# EAGLE board working (EAGLE 9.6.2), part 14 of 28
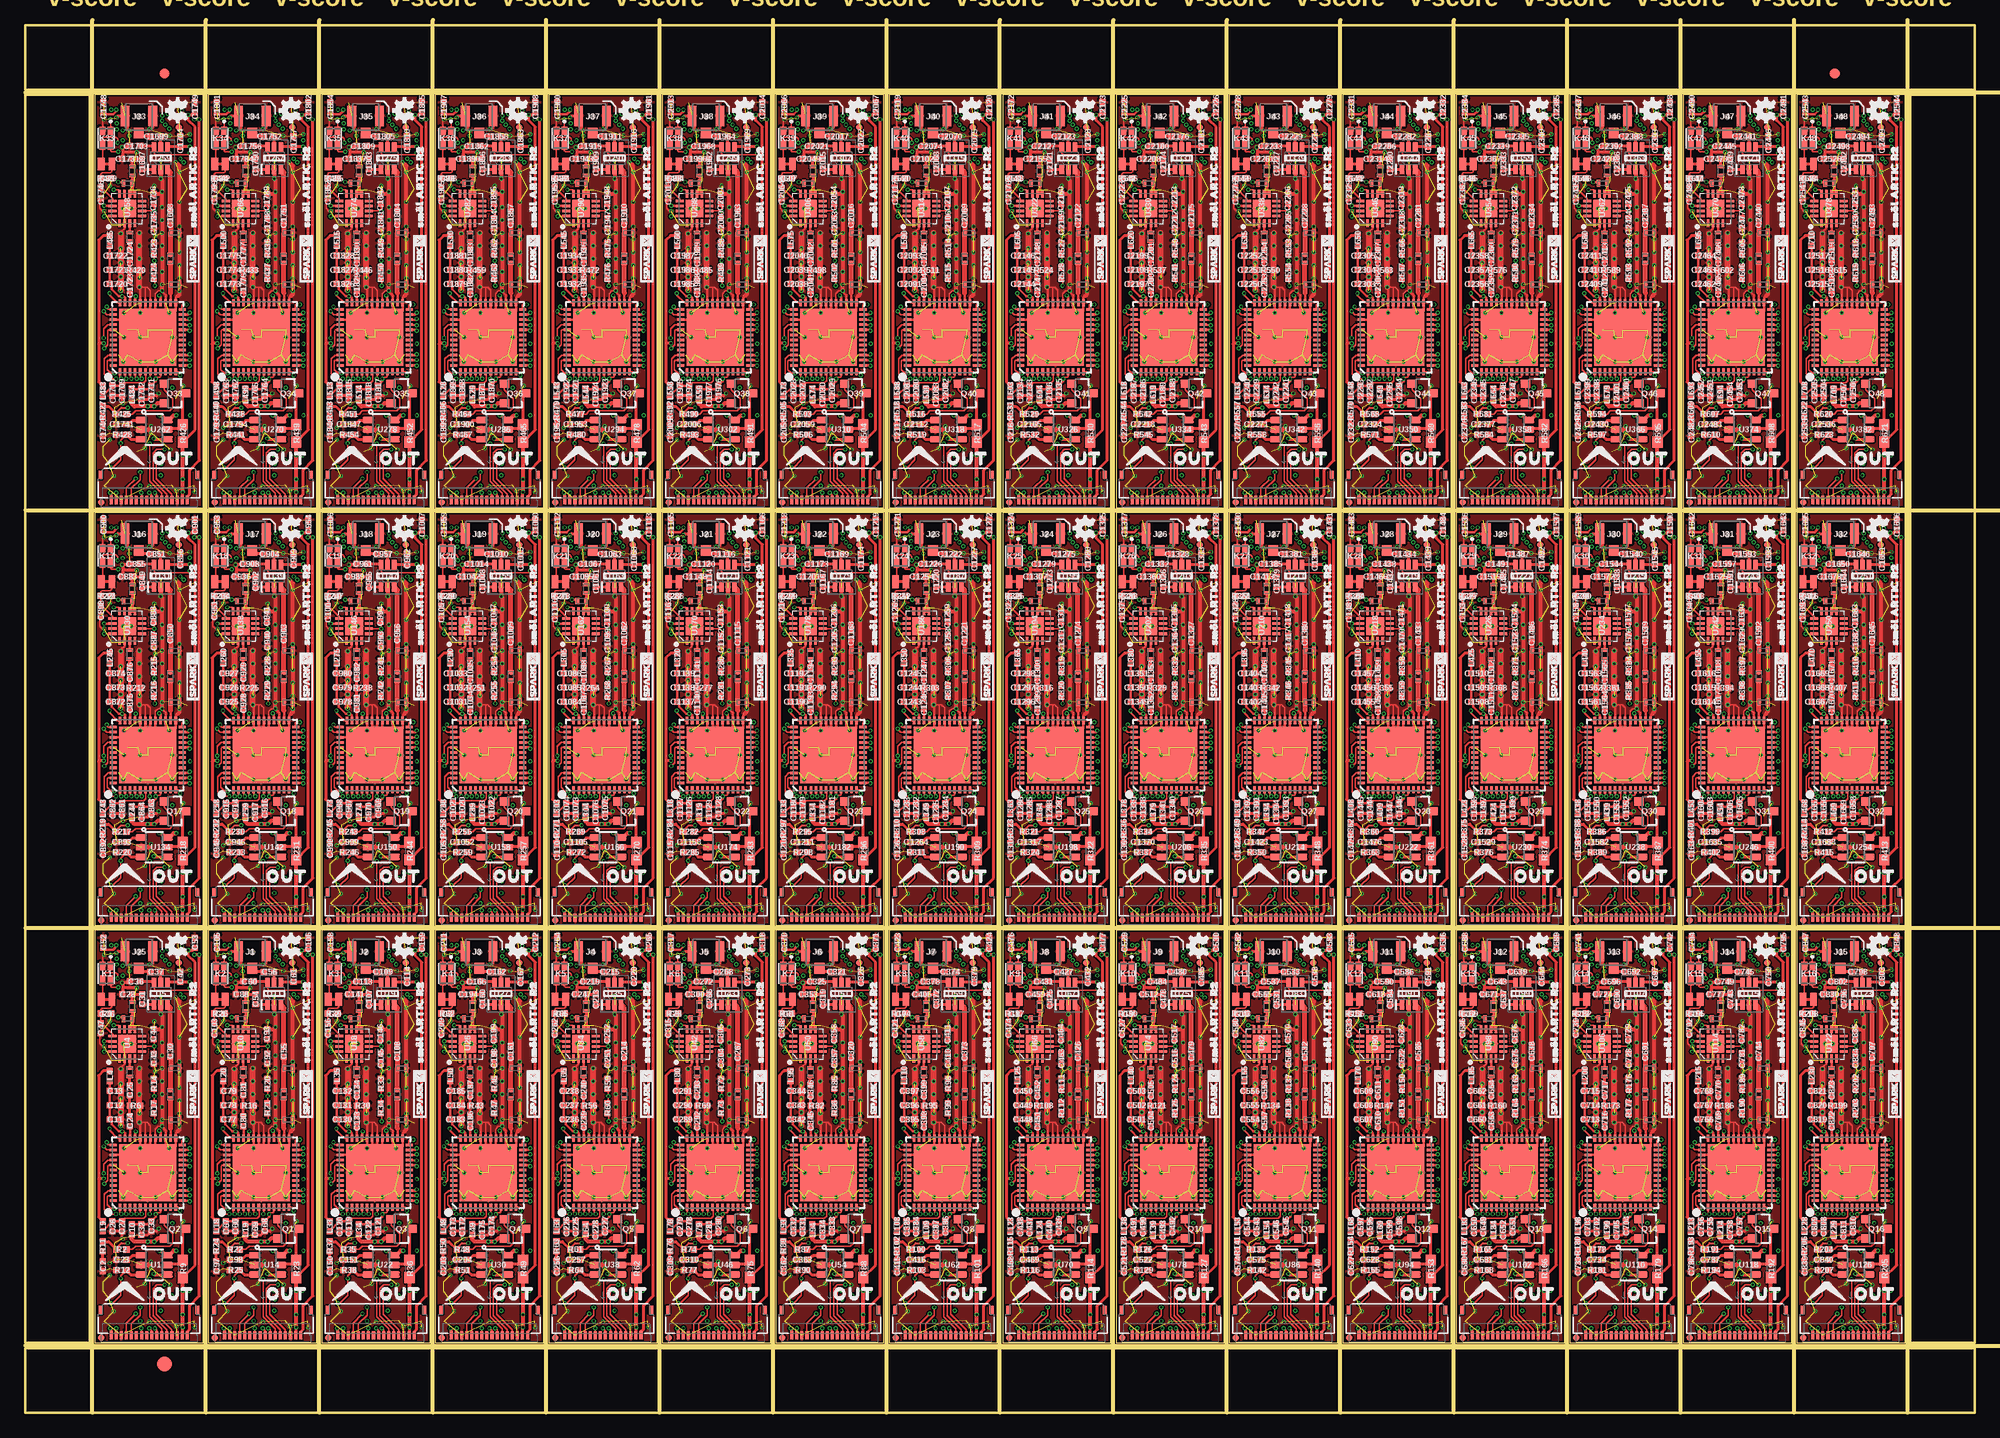
[diagram p0: board, top side]
## Tracks (layer width: path | path; a pad name or v marks a point on that pad's centre or on a via) (continued)
FLASH_VCC
  Bottom 0.152: U7.8 13.96,20.18 14.01,20.23 | U7.3 15.93,19.18 15.63,19.48 | 15.63,17.7 C50.1 15.74,17.98 15.11,18.61 15.11,19.18 15.42,19.48 15.63,19.48 | 15.63,19.48 15.63,20.25 15.18,20.7 14.48,20.7 14.09,20.31 14.01,20.23 | U7.7 14.01,19.68 14.01,20.23
  Bottom 0.305: C50.1 L1.1
FLASH_VCC1
  Bottom 0.152: U15.8 25.13,20.18 25.18,20.23 | U15.3 27.11,19.18 26.81,19.48 | 26.81,17.7 C102.1 26.92,17.98 26.29,18.61 26.29,19.18 26.59,19.48 26.81,19.48 | 26.81,19.48 26.81,20.25 26.35,20.7 25.65,20.7 25.26,20.31 25.18,20.23 | U15.7 25.18,19.68 25.18,20.23
  Bottom 0.305: C102.1 L30.1
FLASH_VCC2
  Bottom 0.152: U23.8 36.31,20.18 36.36,20.23 | U23.3 38.29,19.18 37.98,19.48 | 37.98,17.7 C155.1 38.09,17.98 37.46,18.61 37.46,19.18 37.77,19.48 37.98,19.48 | 37.98,19.48 37.98,20.25 37.53,20.7 36.83,20.7 36.44,20.31 36.36,20.23 | U23.7 36.36,19.68 36.36,20.23
  Bottom 0.305: C155.1 L45.1
FLASH_VCC3
  Bottom 0.152: U31.8 47.49,20.18 47.54,20.23 | U31.3 49.46,19.18 49.16,19.48 | 49.16,17.7 C208.1 49.27,17.98 48.64,18.61 48.64,19.18 48.95,19.48 49.16,19.48 | 49.16,19.48 49.16,20.25 48.7,20.7 48.01,20.7 47.61,20.31 47.54,20.23 | U31.7 47.54,19.68 47.54,20.23
  Bottom 0.305: C208.1 L60.1
FLASH_VCC4
  Bottom 0.152: U39.8 58.66,20.18 58.71,20.23 | U39.3 60.64,19.18 60.34,19.48 | 60.34,17.7 C261.1 60.44,17.98 59.82,18.61 59.82,19.18 60.12,19.48 60.34,19.48 | 60.34,19.48 60.34,20.25 59.88,20.7 59.18,20.7 58.79,20.31 58.71,20.23 | U39.7 58.71,19.68 58.71,20.23
  Bottom 0.305: C261.1 L75.1
FLASH_VCC5
  Bottom 0.152: U47.8 69.84,20.18 69.89,20.23 | U47.3 71.81,19.18 71.51,19.48 | 71.51,17.7 C314.1 71.62,17.98 70.99,18.61 70.99,19.18 71.3,19.48 71.51,19.48 | 71.51,19.48 71.51,20.25 71.06,20.7 70.36,20.7 69.97,20.31 69.89,20.23 | U47.7 69.89,19.68 69.89,20.23
  Bottom 0.305: C314.1 L90.1
FLASH_VCC6
  Bottom 0.152: U55.8 81.01,20.18 81.06,20.23 | U55.3 82.99,19.18 82.69,19.48 | 82.69,17.7 C367.1 82.8,17.98 82.17,18.61 82.17,19.18 82.48,19.48 82.69,19.48 | 82.69,19.48 82.69,20.25 82.23,20.7 81.53,20.7 81.14,20.31 81.06,20.23 | U55.7 81.06,19.68 81.06,20.23
  Bottom 0.305: C367.1 L105.1
FLASH_VCC7
  Bottom 0.152: U63.8 92.19,20.18 92.24,20.23 | U63.3 94.17,19.18 93.86,19.48 | 93.86,17.7 C420.1 93.97,17.98 93.34,18.61 93.34,19.18 93.65,19.48 93.86,19.48 | 93.86,19.48 93.86,20.25 93.41,20.7 92.71,20.7 92.32,20.31 92.24,20.23 | U63.7 92.24,19.68 92.24,20.23
  Bottom 0.305: C420.1 L120.1
FLASH_VCC8
  Bottom 0.152: U71.8 103.37,20.18 103.42,20.23 | U71.3 105.34,19.18 105.04,19.48 | 105.04,17.7 C473.1 105.15,17.98 104.52,18.61 104.52,19.18 104.83,19.48 105.04,19.48 | 105.04,19.48 105.04,20.25 104.59,20.7 103.89,20.7 103.49,20.31 103.42,20.23 | U71.7 103.42,19.68 103.42,20.23
  Bottom 0.305: C473.1 L135.1
FLASH_VCC9
  Bottom 0.152: U79.8 114.54,20.18 114.59,20.23 | U79.3 116.52,19.18 116.22,19.48 | 116.22,17.7 C526.1 116.32,17.98 115.7,18.61 115.7,19.18 116,19.48 116.22,19.48 | 116.22,19.48 116.22,20.25 115.76,20.7 115.06,20.7 114.67,20.31 114.59,20.23 | U79.7 114.59,19.68 114.59,20.23
  Bottom 0.305: C526.1 L150.1
FLASH_VCC10
  Bottom 0.152: U87.8 125.72,20.18 125.77,20.23 | U87.3 127.7,19.18 127.39,19.48 | 127.39,17.7 C579.1 127.5,17.98 126.87,18.61 126.87,19.18 127.18,19.48 127.39,19.48 | 127.39,19.48 127.39,20.25 126.94,20.7 126.24,20.7 125.84,20.31 125.77,20.23 | U87.7 125.77,19.68 125.77,20.23
  Bottom 0.305: C579.1 L165.1
FLASH_VCC11
  Bottom 0.152: U95.8 136.89,20.18 136.94,20.23 | U95.3 138.87,19.18 138.57,19.48 | 138.57,17.7 C632.1 138.68,17.98 138.05,18.61 138.05,19.18 138.36,19.48 138.57,19.48 | 138.57,19.48 138.57,20.25 138.11,20.7 137.41,20.7 137.02,20.31 136.94,20.23 | U95.7 136.94,19.68 136.94,20.23
  Bottom 0.305: C632.1 L180.1
FLASH_VCC12
  Bottom 0.152: U103.8 148.07,20.18 148.12,20.23 | U103.3 150.05,19.18 149.74,19.48 | 149.74,17.7 C685.1 149.85,17.98 149.22,18.61 149.22,19.18 149.53,19.48 149.74,19.48 | 149.74,19.48 149.74,20.25 149.29,20.7 148.59,20.7 148.2,20.31 148.12,20.23 | U103.7 148.12,19.68 148.12,20.23
  Bottom 0.305: C685.1 L195.1
FLASH_VCC13
  Bottom 0.152: U111.8 159.25,20.18 159.3,20.23 | U111.3 161.22,19.18 160.92,19.48 | 160.92,17.7 C738.1 161.03,17.98 160.4,18.61 160.4,19.18 160.71,19.48 160.92,19.48 | 160.92,19.48 160.92,20.25 160.47,20.7 159.77,20.7 159.37,20.31 159.3,20.23 | U111.7 159.3,19.68 159.3,20.23
  Bottom 0.305: C738.1 L210.1
FLASH_VCC14
  Bottom 0.152: U119.8 170.42,20.18 170.47,20.23 | U119.3 172.4,19.18 172.1,19.48 | 172.1,17.7 C791.1 172.2,17.98 171.58,18.61 171.58,19.18 171.88,19.48 172.1,19.48 | 172.1,19.48 172.1,20.25 171.64,20.7 170.94,20.7 170.55,20.31 170.47,20.23 | U119.7 170.47,19.68 170.47,20.23
  Bottom 0.305: C791.1 L225.1
FLASH_VCC15
  Bottom 0.152: U127.8 181.6,20.18 181.65,20.23 | U127.3 183.57,19.18 183.27,19.48 | 183.27,17.7 C844.1 183.38,17.98 182.75,18.61 182.75,19.18 183.06,19.48 183.27,19.48 | 183.27,19.48 183.27,20.25 182.82,20.7 182.12,20.7 181.72,20.31 181.65,20.23 | U127.7 181.65,19.68 181.65,20.23
  Bottom 0.305: C844.1 L240.1
FLASH_VCC16
  Bottom 0.152: U135.8 13.96,61.33 14.01,61.38 | U135.3 15.93,60.33 15.63,60.63 | 15.63,58.84 C897.1 15.74,59.13 15.11,59.75 15.11,60.32 15.42,60.63 15.63,60.63 | 15.63,60.63 15.63,61.39 15.18,61.85 14.48,61.85 14.09,61.46 14.01,61.38 | U135.7 14.01,60.83 14.01,61.38
  Bottom 0.305: C897.1 L255.1
FLASH_VCC17
  Bottom 0.152: U143.8 25.13,61.33 25.18,61.38 | U143.3 27.11,60.33 26.81,60.63 | 26.81,58.84 C950.1 26.92,59.13 26.29,59.75 26.29,60.32 26.59,60.63 26.81,60.63 | 26.81,60.63 26.81,61.39 26.35,61.85 25.65,61.85 25.26,61.46 25.18,61.38 | U143.7 25.18,60.83 25.18,61.38
  Bottom 0.305: C950.1 L270.1
FLASH_VCC18
  Bottom 0.152: U151.8 36.31,61.33 36.36,61.38 | U151.3 38.29,60.33 37.98,60.63 | 37.98,58.84 C1003.1 38.09,59.13 37.46,59.75 37.46,60.32 37.77,60.63 37.98,60.63 | 37.98,60.63 37.98,61.39 37.53,61.85 36.83,61.85 36.44,61.46 36.36,61.38 | U151.7 36.36,60.83 36.36,61.38
  Bottom 0.305: C1003.1 L285.1
FLASH_VCC19
  Bottom 0.152: U159.8 47.49,61.33 47.54,61.38 | U159.3 49.46,60.33 49.16,60.63 | 49.16,58.84 C1056.1 49.27,59.13 48.64,59.75 48.64,60.32 48.95,60.63 49.16,60.63 | 49.16,60.63 49.16,61.39 48.7,61.85 48.01,61.85 47.61,61.46 47.54,61.38 | U159.7 47.54,60.83 47.54,61.38
  Bottom 0.305: C1056.1 L300.1
FLASH_VCC20
  Bottom 0.152: U167.8 58.66,61.33 58.71,61.38 | U167.3 60.64,60.33 60.34,60.63 | 60.34,58.84 C1109.1 60.44,59.13 59.82,59.75 59.82,60.32 60.12,60.63 60.34,60.63 | 60.34,60.63 60.34,61.39 59.88,61.85 59.18,61.85 58.79,61.46 58.71,61.38 | U167.7 58.71,60.83 58.71,61.38
  Bottom 0.305: C1109.1 L315.1
FLASH_VCC21
  Bottom 0.152: U175.8 69.84,61.33 69.89,61.38 | U175.3 71.81,60.33 71.51,60.63 | 71.51,58.84 C1162.1 71.62,59.13 70.99,59.75 70.99,60.32 71.3,60.63 71.51,60.63 | 71.51,60.63 71.51,61.39 71.06,61.85 70.36,61.85 69.97,61.46 69.89,61.38 | U175.7 69.89,60.83 69.89,61.38
  Bottom 0.305: C1162.1 L330.1
FLASH_VCC22
  Bottom 0.152: U183.8 81.01,61.33 81.06,61.38 | U183.3 82.99,60.33 82.69,60.63 | 82.69,58.84 C1215.1 82.8,59.13 82.17,59.75 82.17,60.32 82.48,60.63 82.69,60.63 | 82.69,60.63 82.69,61.39 82.23,61.85 81.53,61.85 81.14,61.46 81.06,61.38 | U183.7 81.06,60.83 81.06,61.38
  Bottom 0.305: C1215.1 L345.1
FLASH_VCC23
  Bottom 0.152: U191.8 92.19,61.33 92.24,61.38 | U191.3 94.17,60.33 93.86,60.63 | 93.86,58.84 C1268.1 93.97,59.13 93.34,59.75 93.34,60.32 93.65,60.63 93.86,60.63 | 93.86,60.63 93.86,61.39 93.41,61.85 92.71,61.85 92.32,61.46 92.24,61.38 | U191.7 92.24,60.83 92.24,61.38
  Bottom 0.305: C1268.1 L360.1
FLASH_VCC24
  Bottom 0.152: U199.8 103.37,61.33 103.42,61.38 | U199.3 105.34,60.33 105.04,60.63 | 105.04,58.84 C1321.1 105.15,59.13 104.52,59.75 104.52,60.32 104.83,60.63 105.04,60.63 | 105.04,60.63 105.04,61.39 104.59,61.85 103.89,61.85 103.49,61.46 103.42,61.38 | U199.7 103.42,60.83 103.42,61.38
  Bottom 0.305: C1321.1 L375.1
FLASH_VCC25
  Bottom 0.152: U207.8 114.54,61.33 114.59,61.38 | U207.3 116.52,60.33 116.22,60.63 | 116.22,58.84 C1374.1 116.32,59.13 115.7,59.75 115.7,60.32 116,60.63 116.22,60.63 | 116.22,60.63 116.22,61.39 115.76,61.85 115.06,61.85 114.67,61.46 114.59,61.38 | U207.7 114.59,60.83 114.59,61.38
  Bottom 0.305: C1374.1 L390.1
FLASH_VCC26
  Bottom 0.152: U215.8 125.72,61.33 125.77,61.38 | U215.3 127.7,60.33 127.39,60.63 | 127.39,58.84 C1427.1 127.5,59.13 126.87,59.75 126.87,60.32 127.18,60.63 127.39,60.63 | 127.39,60.63 127.39,61.39 126.94,61.85 126.24,61.85 125.84,61.46 125.77,61.38 | U215.7 125.77,60.83 125.77,61.38
  Bottom 0.305: C1427.1 L405.1
FLASH_VCC27
  Bottom 0.152: U223.8 136.89,61.33 136.94,61.38 | U223.3 138.87,60.33 138.57,60.63 | 138.57,58.84 C1480.1 138.68,59.13 138.05,59.75 138.05,60.32 138.36,60.63 138.57,60.63 | 138.57,60.63 138.57,61.39 138.11,61.85 137.41,61.85 137.02,61.46 136.94,61.38 | U223.7 136.94,60.83 136.94,61.38
  Bottom 0.305: C1480.1 L420.1
FLASH_VCC28
  Bottom 0.152: U231.8 148.07,61.33 148.12,61.38 | U231.3 150.05,60.33 149.74,60.63 | 149.74,58.84 C1533.1 149.85,59.13 149.22,59.75 149.22,60.32 149.53,60.63 149.74,60.63 | 149.74,60.63 149.74,61.39 149.29,61.85 148.59,61.85 148.2,61.46 148.12,61.38 | U231.7 148.12,60.83 148.12,61.38
  Bottom 0.305: C1533.1 L435.1
FLASH_VCC29
  Bottom 0.152: U239.8 159.25,61.33 159.3,61.38 | U239.3 161.22,60.33 160.92,60.63 | 160.92,58.84 C1586.1 161.03,59.13 160.4,59.75 160.4,60.32 160.71,60.63 160.92,60.63 | 160.92,60.63 160.92,61.39 160.47,61.85 159.77,61.85 159.37,61.46 159.3,61.38 | U239.7 159.3,60.83 159.3,61.38
  Bottom 0.305: C1586.1 L450.1
FLASH_VCC30
  Bottom 0.152: U247.8 170.42,61.33 170.47,61.38 | U247.3 172.4,60.33 172.1,60.63 | 172.1,58.84 C1639.1 172.2,59.13 171.58,59.75 171.58,60.32 171.88,60.63 172.1,60.63 | 172.1,60.63 172.1,61.39 171.64,61.85 170.94,61.85 170.55,61.46 170.47,61.38 | U247.7 170.47,60.83 170.47,61.38
  Bottom 0.305: C1639.1 L465.1
FLASH_VCC31
  Bottom 0.152: U255.8 181.6,61.33 181.65,61.38 | U255.3 183.57,60.33 183.27,60.63 | 183.27,58.84 C1692.1 183.38,59.13 182.75,59.75 182.75,60.32 183.06,60.63 183.27,60.63 | 183.27,60.63 183.27,61.39 182.82,61.85 182.12,61.85 181.72,61.46 181.65,61.38 | U255.7 181.65,60.83 181.65,61.38
  Bottom 0.305: C1692.1 L480.1
FLASH_VCC32
  Bottom 0.152: U263.8 13.96,102.48 14.01,102.53 | U263.3 15.93,101.48 15.63,101.78 | 15.63,99.99 C1745.1 15.74,100.27 15.11,100.9 15.11,101.47 15.42,101.78 15.63,101.78 | 15.63,101.78 15.63,102.54 15.18,103 14.48,103 14.09,102.6 14.01,102.53 | U263.7 14.01,101.98 14.01,102.53
  Bottom 0.305: C1745.1 L495.1
FLASH_VCC33
  Bottom 0.152: U271.8 25.13,102.48 25.18,102.53 | U271.3 27.11,101.48 26.81,101.78 | 26.81,99.99 C1798.1 26.92,100.27 26.29,100.9 26.29,101.47 26.59,101.78 26.81,101.78 | 26.81,101.78 26.81,102.54 26.35,103 25.65,103 25.26,102.6 25.18,102.53 | U271.7 25.18,101.98 25.18,102.53
  Bottom 0.305: C1798.1 L510.1
FLASH_VCC34
  Bottom 0.152: U279.8 36.31,102.48 36.36,102.53 | U279.3 38.29,101.48 37.98,101.78 | 37.98,99.99 C1851.1 38.09,100.27 37.46,100.9 37.46,101.47 37.77,101.78 37.98,101.78 | 37.98,101.78 37.98,102.54 37.53,103 36.83,103 36.44,102.6 36.36,102.53 | U279.7 36.36,101.98 36.36,102.53
  Bottom 0.305: C1851.1 L525.1
FLASH_VCC35
  Bottom 0.152: U287.8 47.49,102.48 47.54,102.53 | U287.3 49.46,101.48 49.16,101.78 | 49.16,99.99 C1904.1 49.27,100.27 48.64,100.9 48.64,101.47 48.95,101.78 49.16,101.78 | 49.16,101.78 49.16,102.54 48.7,103 48.01,103 47.61,102.6 47.54,102.53 | U287.7 47.54,101.98 47.54,102.53
  Bottom 0.305: C1904.1 L540.1
FLASH_VCC36
  Bottom 0.152: U295.8 58.66,102.48 58.71,102.53 | U295.3 60.64,101.48 60.34,101.78 | 60.34,99.99 C1957.1 60.44,100.27 59.82,100.9 59.82,101.47 60.12,101.78 60.34,101.78 | 60.34,101.78 60.34,102.54 59.88,103 59.18,103 58.79,102.6 58.71,102.53 | U295.7 58.71,101.98 58.71,102.53
  Bottom 0.305: C1957.1 L555.1
FLASH_VCC37
  Bottom 0.152: U303.8 69.84,102.48 69.89,102.53 | U303.3 71.81,101.48 71.51,101.78 | 71.51,99.99 C2010.1 71.62,100.27 70.99,100.9 70.99,101.47 71.3,101.78 71.51,101.78 | 71.51,101.78 71.51,102.54 71.06,103 70.36,103 69.97,102.6 69.89,102.53 | U303.7 69.89,101.98 69.89,102.53
  Bottom 0.305: C2010.1 L570.1
FLASH_VCC38
  Bottom 0.152: U311.8 81.01,102.48 81.06,102.53 | U311.3 82.99,101.48 82.69,101.78 | 82.69,99.99 C2063.1 82.8,100.27 82.17,100.9 82.17,101.47 82.48,101.78 82.69,101.78 | 82.69,101.78 82.69,102.54 82.23,103 81.53,103 81.14,102.6 81.06,102.53 | U311.7 81.06,101.98 81.06,102.53
  Bottom 0.305: C2063.1 L585.1
FLASH_VCC39
  Bottom 0.152: U319.8 92.19,102.48 92.24,102.53 | U319.3 94.17,101.48 93.86,101.78 | 93.86,99.99 C2116.1 93.97,100.27 93.34,100.9 93.34,101.47 93.65,101.78 93.86,101.78 | 93.86,101.78 93.86,102.54 93.41,103 92.71,103 92.32,102.6 92.24,102.53 | U319.7 92.24,101.98 92.24,102.53
  Bottom 0.305: C2116.1 L600.1
FLASH_VCC40
  Bottom 0.152: U327.8 103.37,102.48 103.42,102.53 | U327.3 105.34,101.48 105.04,101.78 | 105.04,99.99 C2169.1 105.15,100.27 104.52,100.9 104.52,101.47 104.83,101.78 105.04,101.78 | 105.04,101.78 105.04,102.54 104.59,103 103.89,103 103.49,102.6 103.42,102.53 | U327.7 103.42,101.98 103.42,102.53
  Bottom 0.305: C2169.1 L615.1
FLASH_VCC41
  Bottom 0.152: U335.8 114.54,102.48 114.59,102.53 | U335.3 116.52,101.48 116.22,101.78 | 116.22,99.99 C2222.1 116.32,100.27 115.7,100.9 115.7,101.47 116,101.78 116.22,101.78 | 116.22,101.78 116.22,102.54 115.76,103 115.06,103 114.67,102.6 114.59,102.53 | U335.7 114.59,101.98 114.59,102.53
  Bottom 0.305: C2222.1 L630.1
FLASH_VCC42
  Bottom 0.152: U343.8 125.72,102.48 125.77,102.53 | U343.3 127.7,101.48 127.39,101.78 | 127.39,99.99 C2275.1 127.5,100.27 126.87,100.9 126.87,101.47 127.18,101.78 127.39,101.78 | 127.39,101.78 127.39,102.54 126.94,103 126.24,103 125.84,102.6 125.77,102.53 | U343.7 125.77,101.98 125.77,102.53
  Bottom 0.305: C2275.1 L645.1
FLASH_VCC43
  Bottom 0.152: U351.8 136.89,102.48 136.94,102.53 | U351.3 138.87,101.48 138.57,101.78 | 138.57,99.99 C2328.1 138.68,100.27 138.05,100.9 138.05,101.47 138.36,101.78 138.57,101.78 | 138.57,101.78 138.57,102.54 138.11,103 137.41,103 137.02,102.6 136.94,102.53 | U351.7 136.94,101.98 136.94,102.53
  Bottom 0.305: C2328.1 L660.1
FLASH_VCC44
  Bottom 0.152: U359.8 148.07,102.48 148.12,102.53 | U359.3 150.05,101.48 149.74,101.78 | 149.74,99.99 C2381.1 149.85,100.27 149.22,100.9 149.22,101.47 149.53,101.78 149.74,101.78 | 149.74,101.78 149.74,102.54 149.29,103 148.59,103 148.2,102.6 148.12,102.53 | U359.7 148.12,101.98 148.12,102.53
  Bottom 0.305: C2381.1 L675.1
FLASH_VCC45
  Bottom 0.152: U367.8 159.25,102.48 159.3,102.53 | U367.3 161.22,101.48 160.92,101.78 | 160.92,99.99 C2434.1 161.03,100.27 160.4,100.9 160.4,101.47 160.71,101.78 160.92,101.78 | 160.92,101.78 160.92,102.54 160.47,103 159.77,103 159.37,102.6 159.3,102.53 | U367.7 159.3,101.98 159.3,102.53
  Bottom 0.305: C2434.1 L690.1
FLASH_VCC46
  Bottom 0.152: U375.8 170.42,102.48 170.47,102.53 | U375.3 172.4,101.48 172.1,101.78 | 172.1,99.99 C2487.1 172.2,100.27 171.58,100.9 171.58,101.47 171.88,101.78 172.1,101.78 | 172.1,101.78 172.1,102.54 171.64,103 170.94,103 170.55,102.6 170.47,102.53 | U375.7 170.47,101.98 170.47,102.53
  Bottom 0.305: C2487.1 L705.1
FLASH_VCC47
  Bottom 0.152: U383.8 181.6,102.48 181.65,102.53 | U383.3 183.57,101.48 183.27,101.78 | 183.27,99.99 C2540.1 183.38,100.27 182.75,100.9 182.75,101.47 183.06,101.78 183.27,101.78 | 183.27,101.78 183.27,102.54 182.82,103 182.12,103 181.72,102.6 181.65,102.53 | U383.7 181.65,101.98 181.65,102.53
  Bottom 0.305: C2540.1 L720.1
FLSH_CEN  (via drill 0.2)
  Top 0.254: U3.15 16.09,21.87 v16.19,21.97
  Bottom 0.152: U7.1 16.12,20.18 15.68,20.62 15.68,21.46 v16.19,21.97 17.02,21.97 17.27,22.23 17.27,24.26 FLSH_CEN.1
FLSH_CEN1  (via drill 0.2)
  Top 0.254: U9.15 27.27,21.87 v27.37,21.97
  Bottom 0.152: U15.1 27.3,20.18 26.86,20.62 26.86,21.46 v27.37,21.97 28.19,21.97 28.45,22.23 28.45,24.26 FLSH_CEN1.1
FLSH_CEN2  (via drill 0.2)
  Top 0.254: U17.15 38.45,21.87 v38.54,21.97
  Bottom 0.152: U23.1 38.48,20.18 38.04,20.62 38.04,21.46 v38.54,21.97 39.37,21.97 39.62,22.23 39.62,24.26 FLSH_CEN2.1
FLSH_CEN3  (via drill 0.2)
  Top 0.254: U25.15 49.62,21.87 v49.72,21.97
  Bottom 0.152: U31.1 49.65,20.18 49.21,20.62 49.21,21.46 v49.72,21.97 50.55,21.97 50.8,22.23 50.8,24.26 FLSH_CEN3.1
FLSH_CEN4  (via drill 0.2)
  Top 0.254: U33.15 60.8,21.87 v60.9,21.97
  Bottom 0.152: U39.1 60.83,20.18 60.39,20.62 60.39,21.46 v60.9,21.97 61.72,21.97 61.98,22.23 61.98,24.26 FLSH_CEN4.1
FLSH_CEN5  (via drill 0.2)
  Top 0.254: U41.15 71.97,21.87 v72.07,21.97
  Bottom 0.152: U47.1 72,20.18 71.56,20.62 71.56,21.46 v72.07,21.97 72.9,21.97 73.15,22.23 73.15,24.26 FLSH_CEN5.1
FLSH_CEN6  (via drill 0.2)
  Top 0.254: U49.15 83.15,21.87 v83.25,21.97
  Bottom 0.152: U55.1 83.18,20.18 82.74,20.62 82.74,21.46 v83.25,21.97 84.07,21.97 84.33,22.23 84.33,24.26 FLSH_CEN6.1
FLSH_CEN7  (via drill 0.2)
  Top 0.254: U57.15 94.33,21.87 v94.42,21.97
  Bottom 0.152: U63.1 94.36,20.18 93.92,20.62 93.92,21.46 v94.42,21.97 95.25,21.97 95.5,22.23 95.5,24.26 FLSH_CEN7.1
FLSH_CEN8  (via drill 0.2)
  Top 0.254: U65.15 105.5,21.87 v105.6,21.97
  Bottom 0.152: U71.1 105.53,20.18 105.09,20.62 105.09,21.46 v105.6,21.97 106.43,21.97 106.68,22.23 106.68,24.26 FLSH_CEN8.1
FLSH_CEN9  (via drill 0.2)
  Top 0.254: U73.15 116.68,21.87 v116.78,21.97
  Bottom 0.152: U79.1 116.71,20.18 116.27,20.62 116.27,21.46 v116.78,21.97 117.6,21.97 117.86,22.23 117.86,24.26 FLSH_CEN9.1
FLSH_CEN10  (via drill 0.2)
  Top 0.254: U81.15 127.85,21.87 v127.95,21.97
  Bottom 0.152: U87.1 127.88,20.18 127.45,20.62 127.45,21.46 v127.95,21.97 128.78,21.97 129.03,22.23 129.03,24.26 FLSH_CEN10.1
FLSH_CEN11  (via drill 0.2)
  Top 0.254: U89.15 139.03,21.87 v139.13,21.97
  Bottom 0.152: U95.1 139.06,20.18 138.62,20.62 138.62,21.46 v139.13,21.97 139.95,21.97 140.21,22.23 140.21,24.26 FLSH_CEN11.1
FLSH_CEN12  (via drill 0.2)
  Top 0.254: U97.15 150.21,21.87 v150.3,21.97
  Bottom 0.152: U103.1 150.24,20.18 149.8,20.62 149.8,21.46 v150.3,21.97 151.13,21.97 151.38,22.23 151.38,24.26 FLSH_CEN12.1
FLSH_CEN13  (via drill 0.2)
  Top 0.254: U105.15 161.38,21.87 v161.48,21.97
  Bottom 0.152: U111.1 161.41,20.18 160.97,20.62 160.97,21.46 v161.48,21.97 162.31,21.97 162.56,22.23 162.56,24.26 FLSH_CEN13.1
FLSH_CEN14  (via drill 0.2)
  Top 0.254: U113.15 172.56,21.87 v172.66,21.97
  Bottom 0.152: U119.1 172.59,20.18 172.15,20.62 172.15,21.46 v172.66,21.97 173.48,21.97 173.74,22.23 173.74,24.26 FLSH_CEN14.1
FLSH_CEN15  (via drill 0.2)
  Top 0.254: U121.15 183.73,21.87 v183.83,21.97
  Bottom 0.152: U127.1 183.76,20.18 183.32,20.62 183.32,21.46 v183.83,21.97 184.66,21.97 184.91,22.23 184.91,24.26 FLSH_CEN15.1
FLSH_CEN16  (via drill 0.2)
  Top 0.254: U129.15 16.09,63.02 v16.19,63.12
  Bottom 0.152: U135.1 16.12,61.33 15.68,61.77 15.68,62.61 v16.19,63.12 17.02,63.12 17.27,63.37 17.27,65.41 FLSH_CEN16.1
FLSH_CEN17  (via drill 0.2)
  Top 0.254: U137.15 27.27,63.02 v27.37,63.12
  Bottom 0.152: U143.1 27.3,61.33 26.86,61.77 26.86,62.61 v27.37,63.12 28.19,63.12 28.45,63.37 28.45,65.41 FLSH_CEN17.1
FLSH_CEN18  (via drill 0.2)
  Top 0.254: U145.15 38.45,63.02 v38.54,63.12
  Bottom 0.152: U151.1 38.48,61.33 38.04,61.77 38.04,62.61 v38.54,63.12 39.37,63.12 39.62,63.37 39.62,65.41 FLSH_CEN18.1
FLSH_CEN19  (via drill 0.2)
  Top 0.254: U153.15 49.62,63.02 v49.72,63.12
  Bottom 0.152: U159.1 49.65,61.33 49.21,61.77 49.21,62.61 v49.72,63.12 50.55,63.12 50.8,63.37 50.8,65.41 FLSH_CEN19.1
FLSH_CEN20  (via drill 0.2)
  Top 0.254: U161.15 60.8,63.02 v60.9,63.12
  Bottom 0.152: U167.1 60.83,61.33 60.39,61.77 60.39,62.61 v60.9,63.12 61.72,63.12 61.98,63.37 61.98,65.41 FLSH_CEN20.1
FLSH_CEN21  (via drill 0.2)
  Top 0.254: U169.15 71.97,63.02 v72.07,63.12
  Bottom 0.152: U175.1 72,61.33 71.56,61.77 71.56,62.61 v72.07,63.12 72.9,63.12 73.15,63.37 73.15,65.41 FLSH_CEN21.1
FLSH_CEN22  (via drill 0.2)
  Top 0.254: U177.15 83.15,63.02 v83.25,63.12
  Bottom 0.152: U183.1 83.18,61.33 82.74,61.77 82.74,62.61 v83.25,63.12 84.07,63.12 84.33,63.37 84.33,65.41 FLSH_CEN22.1
FLSH_CEN23  (via drill 0.2)
  Top 0.254: U185.15 94.33,63.02 v94.42,63.12
  Bottom 0.152: U191.1 94.36,61.33 93.92,61.77 93.92,62.61 v94.42,63.12 95.25,63.12 95.5,63.37 95.5,65.41 FLSH_CEN23.1
FLSH_CEN24  (via drill 0.2)
  Top 0.254: U193.15 105.5,63.02 v105.6,63.12
  Bottom 0.152: U199.1 105.53,61.33 105.09,61.77 105.09,62.61 v105.6,63.12 106.43,63.12 106.68,63.37 106.68,65.41 FLSH_CEN24.1
FLSH_CEN25  (via drill 0.2)
  Top 0.254: U201.15 116.68,63.02 v116.78,63.12
  Bottom 0.152: U207.1 116.71,61.33 116.27,61.77 116.27,62.61 v116.78,63.12 117.6,63.12 117.86,63.37 117.86,65.41 FLSH_CEN25.1
FLSH_CEN26  (via drill 0.2)
  Top 0.254: U209.15 127.85,63.02 v127.95,63.12
  Bottom 0.152: U215.1 127.88,61.33 127.45,61.77 127.45,62.61 v127.95,63.12 128.78,63.12 129.03,63.37 129.03,65.41 FLSH_CEN26.1
FLSH_CEN27  (via drill 0.2)
  Top 0.254: U217.15 139.03,63.02 v139.13,63.12
  Bottom 0.152: U223.1 139.06,61.33 138.62,61.77 138.62,62.61 v139.13,63.12 139.95,63.12 140.21,63.37 140.21,65.41 FLSH_CEN27.1
FLSH_CEN28  (via drill 0.2)
  Top 0.254: U225.15 150.21,63.02 v150.3,63.12
  Bottom 0.152: U231.1 150.24,61.33 149.8,61.77 149.8,62.61 v150.3,63.12 151.13,63.12 151.38,63.37 151.38,65.41 FLSH_CEN28.1
FLSH_CEN29  (via drill 0.2)
  Top 0.254: U233.15 161.38,63.02 v161.48,63.12
  Bottom 0.152: U239.1 161.41,61.33 160.97,61.77 160.97,62.61 v161.48,63.12 162.31,63.12 162.56,63.37 162.56,65.41 FLSH_CEN29.1
FLSH_CEN30  (via drill 0.2)
  Top 0.254: U241.15 172.56,63.02 v172.66,63.12
  Bottom 0.152: U247.1 172.59,61.33 172.15,61.77 172.15,62.61 v172.66,63.12 173.48,63.12 173.74,63.37 173.74,65.41 FLSH_CEN30.1
FLSH_CEN31  (via drill 0.2)
  Top 0.254: U249.15 183.73,63.02 v183.83,63.12
  Bottom 0.152: U255.1 183.76,61.33 183.32,61.77 183.32,62.61 v183.83,63.12 184.66,63.12 184.91,63.37 184.91,65.41 FLSH_CEN31.1
FLSH_CEN32  (via drill 0.2)
  Top 0.254: U257.15 16.09,104.17 v16.19,104.27
  Bottom 0.152: U263.1 16.12,102.48 15.68,102.92 15.68,103.76 v16.19,104.27 17.02,104.27 17.27,104.52 17.27,106.55 FLSH_CEN32.1
FLSH_CEN33  (via drill 0.2)
  Top 0.254: U265.15 27.27,104.17 v27.37,104.27
  Bottom 0.152: U271.1 27.3,102.48 26.86,102.92 26.86,103.76 v27.37,104.27 28.19,104.27 28.45,104.52 28.45,106.55 FLSH_CEN33.1
FLSH_CEN34  (via drill 0.2)
  Top 0.254: U273.15 38.45,104.17 v38.54,104.27
  Bottom 0.152: U279.1 38.48,102.48 38.04,102.92 38.04,103.76 v38.54,104.27 39.37,104.27 39.62,104.52 39.62,106.55 FLSH_CEN34.1
FLSH_CEN35  (via drill 0.2)
  Top 0.254: U281.15 49.62,104.17 v49.72,104.27
  Bottom 0.152: U287.1 49.65,102.48 49.21,102.92 49.21,103.76 v49.72,104.27 50.55,104.27 50.8,104.52 50.8,106.55 FLSH_CEN35.1
FLSH_CEN36  (via drill 0.2)
  Top 0.254: U289.15 60.8,104.17 v60.9,104.27
  Bottom 0.152: U295.1 60.83,102.48 60.39,102.92 60.39,103.76 v60.9,104.27 61.72,104.27 61.98,104.52 61.98,106.55 FLSH_CEN36.1
FLSH_CEN37  (via drill 0.2)
  Top 0.254: U297.15 71.97,104.17 v72.07,104.27
  Bottom 0.152: U303.1 72,102.48 71.56,102.92 71.56,103.76 v72.07,104.27 72.9,104.27 73.15,104.52 73.15,106.55 FLSH_CEN37.1
FLSH_CEN38  (via drill 0.2)
  Top 0.254: U305.15 83.15,104.17 v83.25,104.27
  Bottom 0.152: U311.1 83.18,102.48 82.74,102.92 82.74,103.76 v83.25,104.27 84.07,104.27 84.33,104.52 84.33,106.55 FLSH_CEN38.1
FLSH_CEN39  (via drill 0.2)
  Top 0.254: U313.15 94.33,104.17 v94.42,104.27
  Bottom 0.152: U319.1 94.36,102.48 93.92,102.92 93.92,103.76 v94.42,104.27 95.25,104.27 95.5,104.52 95.5,106.55 FLSH_CEN39.1
FLSH_CEN40  (via drill 0.2)
  Top 0.254: U321.15 105.5,104.17 v105.6,104.27
  Bottom 0.152: U327.1 105.53,102.48 105.09,102.92 105.09,103.76 v105.6,104.27 106.43,104.27 106.68,104.52 106.68,106.55 FLSH_CEN40.1
FLSH_CEN41  (via drill 0.2)
  Top 0.254: U329.15 116.68,104.17 v116.78,104.27
  Bottom 0.152: U335.1 116.71,102.48 116.27,102.92 116.27,103.76 v116.78,104.27 117.6,104.27 117.86,104.52 117.86,106.55 FLSH_CEN41.1
FLSH_CEN42  (via drill 0.2)
  Top 0.254: U337.15 127.85,104.17 v127.95,104.27
  Bottom 0.152: U343.1 127.88,102.48 127.45,102.92 127.45,103.76 v127.95,104.27 128.78,104.27 129.03,104.52 129.03,106.55 FLSH_CEN42.1
FLSH_CEN43  (via drill 0.2)
  Top 0.254: U345.15 139.03,104.17 v139.13,104.27
  Bottom 0.152: U351.1 139.06,102.48 138.62,102.92 138.62,103.76 v139.13,104.27 139.95,104.27 140.21,104.52 140.21,106.55 FLSH_CEN43.1
FLSH_CEN44  (via drill 0.2)
  Top 0.254: U353.15 150.21,104.17 v150.3,104.27
  Bottom 0.152: U359.1 150.24,102.48 149.8,102.92 149.8,103.76 v150.3,104.27 151.13,104.27 151.38,104.52 151.38,106.55 FLSH_CEN44.1
FLSH_CEN45  (via drill 0.2)
  Top 0.254: U361.15 161.38,104.17 v161.48,104.27
  Bottom 0.152: U367.1 161.41,102.48 160.97,102.92 160.97,103.76 v161.48,104.27 162.31,104.27 162.56,104.52 162.56,106.55 FLSH_CEN45.1
FLSH_CEN46  (via drill 0.2)
  Top 0.254: U369.15 172.56,104.17 v172.66,104.27
  Bottom 0.152: U375.1 172.59,102.48 172.15,102.92 172.15,103.76 v172.66,104.27 173.48,104.27 173.74,104.52 173.74,106.55 FLSH_CEN46.1
FLSH_CEN47  (via drill 0.2)